# Altium PCB USB HUB V1.2.PcbDoc
Units mil, origin at the board's own origin, x right, y up, seen from the top; angles counter-clockwise.
Board outline 2559.07 x 1771.67 mil, 2 copper layers (Top Layer, Bottom Layer); 63 components, 47 nets, 278 pads, 96 vias.
Unrouted connection lines stored in the file: 17.
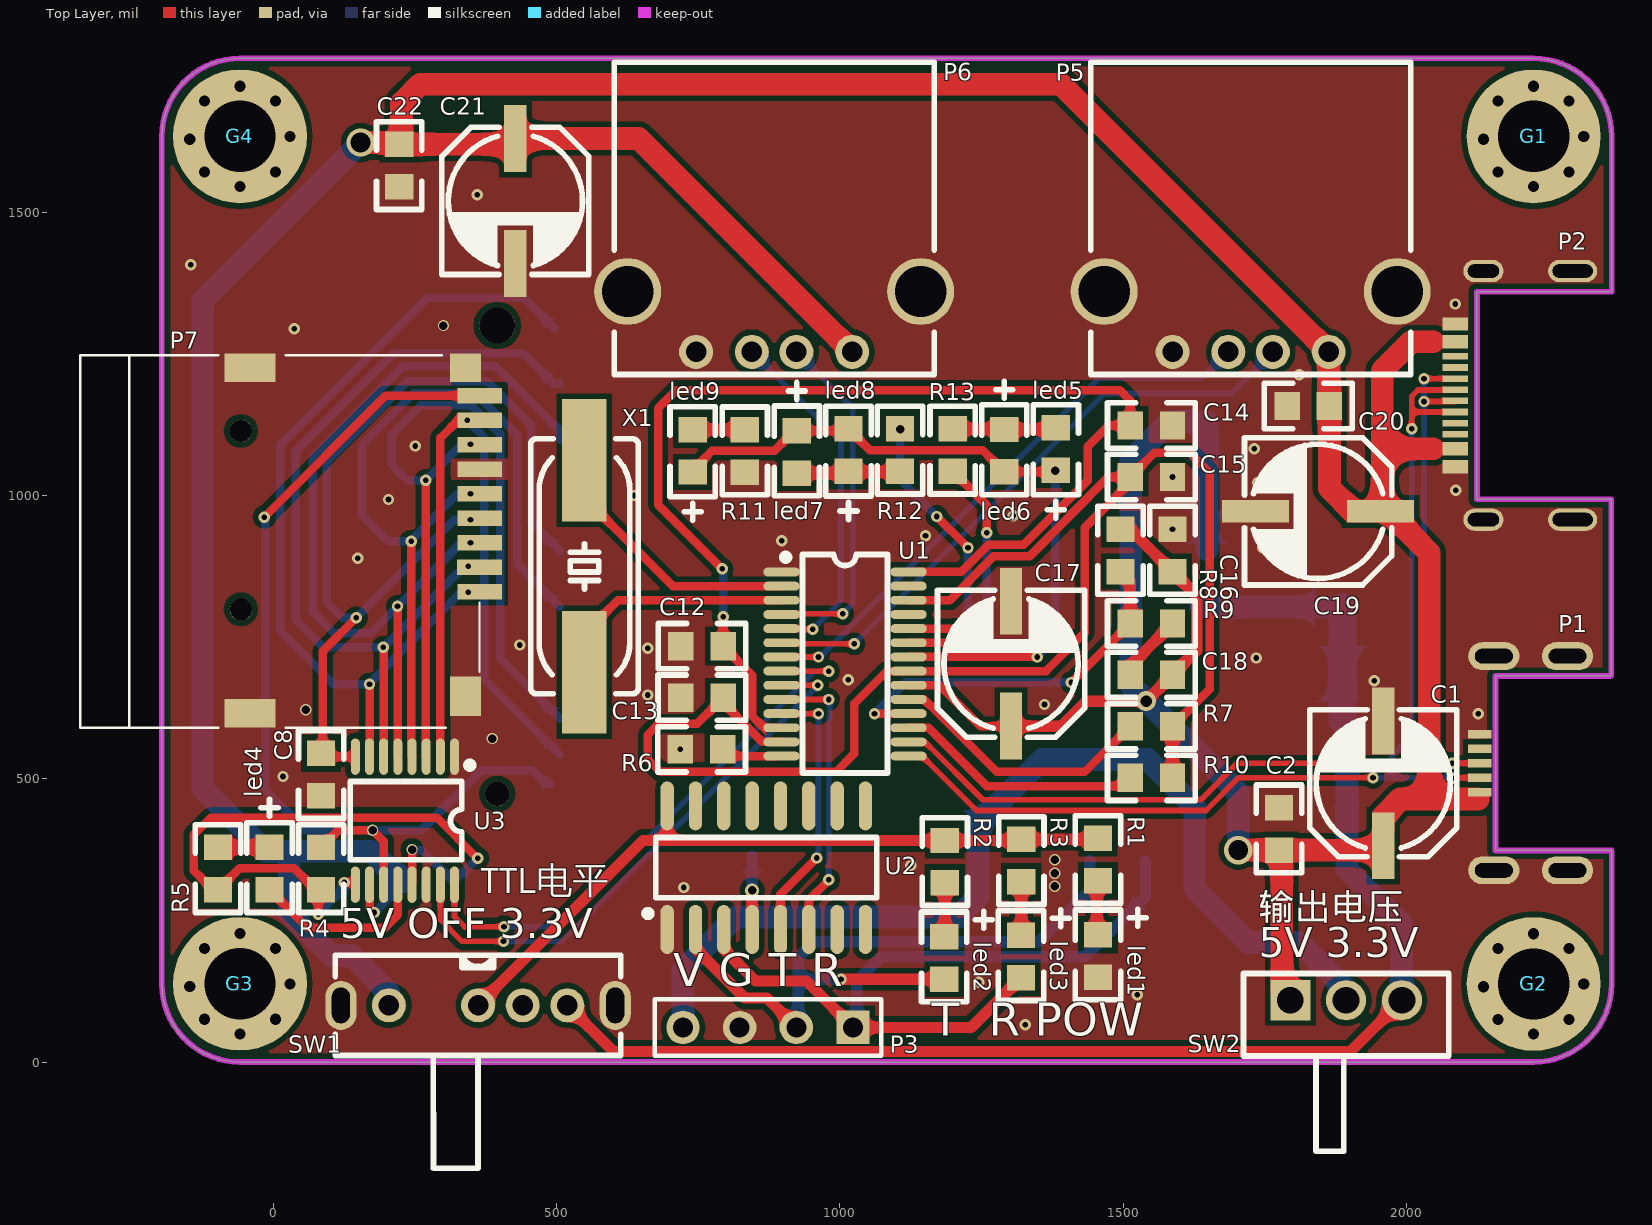
[diagram p0: Top Layer view]
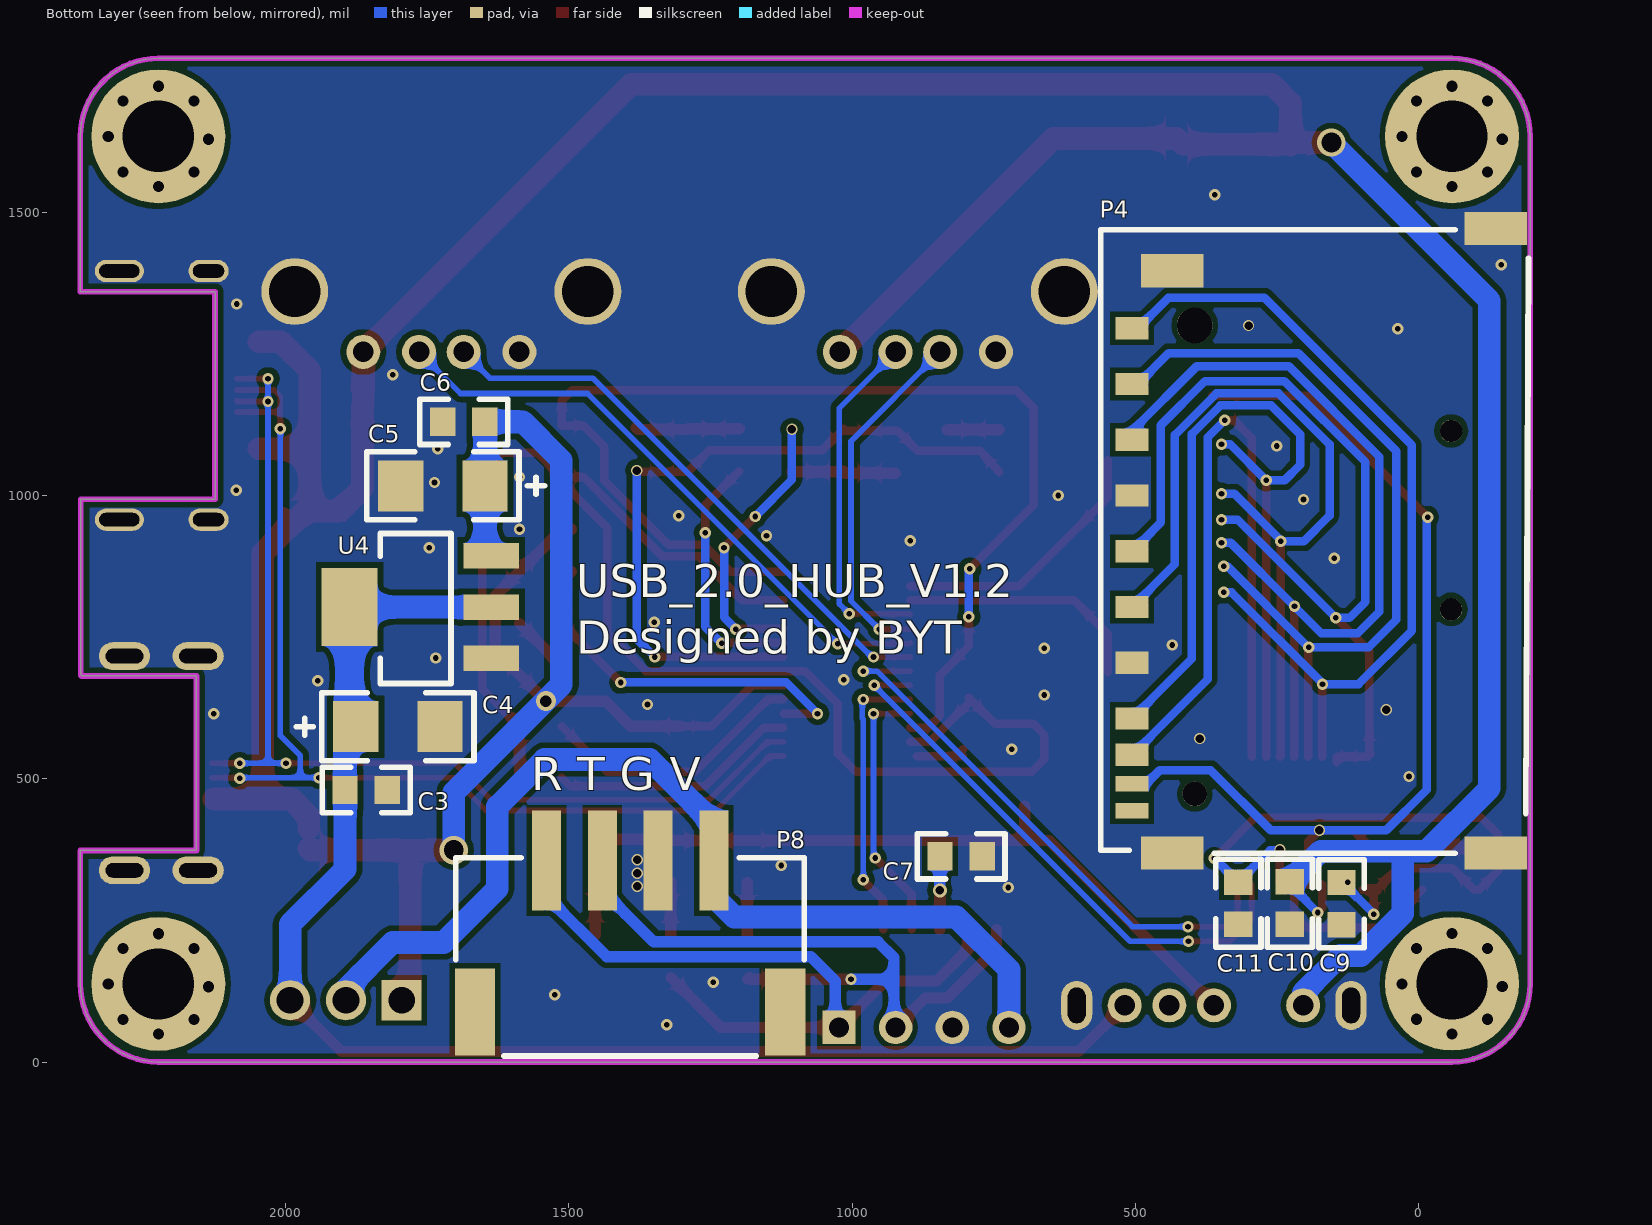
[diagram p1: Bottom Layer view, seen from below]

## Layer stack, top to bottom
Top Solder: solder mask 0.4, Solder Resist, Dk 3.5
Top Layer: signal copper 1.4
Dielectric 1: dielectric 12.6, FR-4, Dk 4.8
Bottom Layer: signal copper 1.4
Bottom Solder: solder mask 0.4, Solder Resist, Dk 3.5

## Board outline
-196.85,137.8 ccw(c-59.06,137.8) -59.06,0 2224.41,0 2224.41,-0.02 ccw(c2224.41,137.8) 2362.22,137.8 2362.22,373.37 2157.2,373.37 2157.2,681.37 2360.2,681.37 2361.2,682.37 2361.2,993.48 2124.41,993.48 2124.41,1359.48 2362.2,1359.48 2362.2,1633.86 ccw(c2224.41,1633.86) 2224.41,1771.65 -59.06,1771.65 ccw(c-59.06,1633.86) -196.85,1633.86

## Design rules (kind name [scope] priority, off if disabled: settings)
Clearance [All] p1: gap=1 ignorepadtopadclearanceinfootprint=FALSE
ComponentClearance [All] p1: gap=0 collisioncheckmode=3 verticalgap=0 showdistances=FALSE
PolygonConnect [All] p1: connectstyle=Direct reliefconductorwidth=10 reliefentries=4 polygonreliefangle="90 Angle" airgapwidth=10
RoutingVias [All] p1: holewidth=28 width=50 viastyle="Through Hole" minholewidth=5 minwidth=5 maxholewidth=28 maxwidth=50
SolderMaskExpansion [All] p1: expansion=4
Width [All] p1: maxlimit=100 minlimit=10 preferedwidth=20 minimp=50.000000 maximp=50.000000 favimp=50.000000
29 further rules are at their usual default settings.

## Components (designator, comment, footprint, x,y, rotation, side; value= is the part's Value field where it differs from the comment)
C1 "220uf" CAP-SMD_BD6.3-L6.6-W6.6-FD 1959,492 r90 top
C2 "104" "Cap 0805" 1775,374 r90 top
C3 "Cap" "Cap 0805" 1895,480 r180 bottom value=104
C4 "Cap Tan-C" "Cap tan-c" 1876,592 r180 bottom value=10uf
C5 "Cap Tan-C" "Cap tan-c" 1648,1017 r0 bottom value=10uf
C6 "Cap" "Cap 0805" 1722.8,1130 r180 bottom value=104
C7 "104" "Cap 0805" 770,363 r0 bottom
C8 "4.7uf" "Cap 0805" 84.15,544.8 r270 top
C9 "0.1uf" "Cap 0805" 136.15,316.8 r270 bottom
C10 "4.7uf" "Cap 0805" 227.15,317.8 r270 bottom
C11 "2.2uf" "Cap 0805" 318.15,317.61 r270 bottom
C12 "10uf" "Cap 0805" 719,734 r0 top
C13 "0.1uf" "Cap 0805" 793.8,643 r180 top
C14 "0.1uf" "Cap 0805" 1512.2,1123.5 r0 top
C15 "10uf" "Cap 0805" 1512.2,1032.5 r0 top
C16 "10uf" "Cap 0805" 1587,865.7 r90 top
C17 "100uf" CAP-SMD_BD6.3-L6.6-W6.6-FD 1302,703 r90 top
C18 "0.1uf" "Cap 0805" 1512.2,683.5 r0 top
C19 "220uf" CAP-SMD_BD6.3-L6.6-W6.6-FD 1844,972 r180 top
C20 "104" "Cap 0805" 1864,1158 r180 top
C21 "220uf" CAP-SMD_BD6.3-L6.6-W6.6-FD 427,1520 r270 top
C22 "104" "Cap 0805" 222,1619.8 r270 top
G1 "固定孔" 固定孔（M3） 2224.41,1633.86 r0 top
G2 "固定孔" 固定孔（M3） 2224.41,137.8 r0 top
G3 "固定孔" 固定孔（M3） -59.06,138 r0 top
G4 "固定孔" 固定孔（M3） -59.06,1633.86 r0 top
led1 "led" "led 0805" 1455.57,224.7 r270 top
led2 "led" "led 0805" 1184,221.2 r270 top
led3 "led" "led 0805" 1319.57,223.7 r270 top
led4 "led" "led 0805 2号" -6.85,379 r270 top
led5 "led" "led 0805 2号" 1381,1044.88 r90 top
led6 "led" "led 0805 2号" 1290,1116.49 r270 top
led7 "led" "led 0805 2号" 924,1114.29 r270 top
led8 "led" "led 0805 2号" 1015,1042.68 r90 top
led9 "led" "led 0805 2号" 740,1041.39 r90 top
P1 "Micro USB母座" "Micro USB母座（沉板0.8带卷边四脚）" 2129.68,527.4 r90 top
P2 "TYPE-C 16P母座" "TYPEC 16P（1.6沉板）" 2124.02,993.7 r90 top
P3 "Header 4" HDR1X4 1023,61 r180 top
P4 "SD卡母座" SD卡母座（短） 530.87,828.74 r90 bottom
P5 "USB2.0-母座" USB2.0母座弯脚卷边带后盖 2742.76,1238.31 r180 top
P6 "USB2.0-母座" USB2.0母座弯脚卷边带后盖 1901.65,1238.31 r180 top
P7 "TF卡母座（自弹）" TF卡母座（自弹） 161.36,920.35 r270 top
P8 "XH 2.54-4p" "XH 2.54-4P" 1539.26,355.72 r180 bottom
R1 "510Ω" "R 0805" 1455.57,319.9 r90 top
R2 "510Ω" "R 0805" 1185,316.2 r90 top
R3 "510Ω" "R 0805" 1320.15,318.1 r90 top
R4 "4.7K" "R 0805" 84.15,378.8 r270 top
R5 "510Ω" "R 0805" -97.85,304 r90 top
R6 "2.7K" "R 0805" 718.2,552 r0 top
R7 "100K" "R 0805" 1512.2,592.5 r0 top
R8 "47K" "R 0805" 1495.2,865.7 r90 top
R9 "100K" "R 0805" 1512.2,774 r0 top
R10 "100K" "R 0805" 1512.2,501.5 r0 top
R11 "330" "R 0805" 832,1041.2 r90 top
R12 "330" "R 0805" 1106,1117.49 r270 top
R13 "330" "R 0805" 1199,1042.68 r90 top
SW1 "SK13D07" SK13D07 361.26,100 r0 top
SW2 "MSK-12D19" MSK-12D19 1893.43,109.02 r90 top
U1 "FE1.1S" SSOP-28_150MIL 1009,702.5 r0 top
U2 "CH340C" SOP-16_150MIL 695,234 r90 top
U3 "GL823K-HCY04" SSOP-16_150MIL 232.15,426 r270 top
U4 "AMS1117" ams1117 1883,803 r90 bottom
X1 "12MHz" HC-49S_L11.4-W4.8 549,687.98 r90 top

## Footprints (in the part's own frame and the unit in brackets; to place one, negate y for a bottom-side part, rotate by r counter-clockwise, add the part's x,y. Pads: shape width x height; smd on the part's side, far side on the other; paste and mask are expansions set on the pad)
ams1117 [mm]
  rect 1.15x2.5 smd: 1(-2.3,-6.25) 2(0,-6.25) 3(2.3,-6.25)
  rect 3.5x2.5 smd: 2(0,0.1)
  silkscreen extent -3.43,-4.44 3.3,-1.27
"Cap 0805" [mm]
  rect 1.14x1.27 smd: 1(0,0) 2(1.9,0)
  silkscreen extent -1.02,-1.02 2.92,1.02
"Cap tan-c" [mm]
  rect 2.03x2.28 smd: 1(0,0) 2(3.78,0)
  silkscreen extent -2.67,-1.52 5.3,1.52
CAP-SMD_BD6.3-L6.6-W6.6-FD [mm]
  rect 3x1 smd: 1(-2.8,0) 2(2.8,0)
  silkscreen extent -3.3,-3.3 3.3,3.3
HC-49S_L11.4-W4.8 [mm]
  rect 5.5x2 smd: 1(0,0) 2(9.5,0)
  silkscreen extent -0.96,-2.41 10.47,2.41
HDR1X4 [mm] "Connector; Header; 4 Position"
  rect 1.5x1.5 hole 0.9: 1(0,0)
  round 1.5 hole 0.9: 2(2.54,0) 3(5.08,0) 4(7.62,0)
  silkscreen extent -1.27,-1.27 8.89,1.27
"led 0805" [mm]
  rect 1.14x1.27 smd: 1(0,0) 2(1.9,0)
  silkscreen extent -1.14,-1.02 2.92,2.16
"led 0805 2号" [mm]
  rect 1.14x1.27 smd: 1(0,0) 2(1.9,0)
  silkscreen extent -2.16,-1.02 2.92,1.02
"Micro USB母座（沉板0.8带卷边四脚）" [mm]
  rect 0.4x1.05 smd: 1(-1.3,0) 2(-0.65,0) 3(0,0) 4(0.65,0) 5(1.3,0)
  oval 1.25x2.3 hole 1.7 slot 0.65 at 0 deg: 5(-4.8,-3.925) 5(-4.8,-0.625) 5(4.8,-3.925) 5(4.8,-0.625)
MSK-12D19 [mm]
  rect 1.8x1.8 hole 1.2: 1(0,2.5)
  round 1.8 hole 1.2: 2(0,0) 3(0,-2.5)
  silkscreen extent -6.77,-4.6 1.2,4.6
"R 0805" [mm]
  rect 1.14x1.27 smd: 1(0,0) 2(1.9,0)
  silkscreen extent -1.02,-1.02 2.92,1.02
SD卡母座（短） [mm]
  rect 1x1.5 smd: 1(9.35,-0.635) 2(6.85,-0.635) 3(4.35,-0.635) 4(1.85,-0.635) 5(-0.65,-0.635) 6(-3.15,-0.635) 7(-5.65,-0.635) 8(-7.28,-0.635) 9(11.85,-0.635)
  rect 1.5x2.8 smd: 3(-11.68,-16.947) 3(-11.68,-2.447) 3(14.42,-2.447) 3(16.32,-16.947)
  rect 0.7x1.5 smd: 10(-8.58,-0.635) 11(-9.78,-0.635)
  round 1.1 hole 1.1: 12(-9.03,-3.447)
  round 1.6 hole 1.6: 13(11.97,-3.447)
  silkscreen extent -11.68,-18.41 16.26,0.76
SK13D07 [mil]
  round 60 hole 36: 1(-157.48,0) 3(0,0) 4(78.74,0) 5(157.48,0)
  oval 55.12x86.61 hole 31.5 slot 62.99 at 90 deg: 6(242.13,0) 7(-242.13,0)
  silkscreen extent -252,-287 252,89
SOP-16_150MIL [mm]
  oval 2.2x0.6 smd: 1(0,0) 2(0,-1.27) 3(0,-2.54) 4(0,-3.81) 5(0,-5.08) 6(0,-6.35) 7(0,-7.62) 8(0,-8.89) 9(5.537,-8.89) 10(5.537,-7.62) 11(5.537,-6.35) 12(5.537,-5.08) 13(5.537,-3.81) 14(5.537,-2.54) 15(5.537,-1.27) 16(5.537,0)
  silkscreen extent 0.56,-9.4 4.12,1.01
SSOP-16_150MIL [mil]
  oval 64.17x15.75 smd: 1(-113,87.5) 2(-113,62.5) 3(-113,37.5) 4(-113,12.5) 5(-113,-12.5) 6(-113,-37.5) 7(-113,-62.5) 8(-113,-87.5) 9(113,-87.5) 10(113,-62.5) 11(113,-37.5) 12(113,-12.5) 13(113,12.5) 14(113,37.5) 15(113,62.5) 16(113,87.5)
  silkscreen extent -104,-97 69,120
SSOP-28_150MIL [mil]
  oval 64.17x15.75 smd: 1(-112,162.5) 2(-112,137.5) 3(-112,112.5) 4(-112,87.5) 5(-112,62.5) 6(-112,37.5) 7(-112,12.5) 8(-112,-12.5) 9(-112,-37.5) 10(-112,-62.5) 11(-112,-87.5) 12(-112,-112.5) 13(-112,-137.5) 14(-112,-162.5) 15(112,-162.5) 16(112,-137.5) 17(112,-112.5) 18(112,-87.5) 19(112,-62.5) 20(112,-37.5) 21(112,-12.5) 22(112,12.5) 23(112,37.5) 24(112,62.5) 25(112,87.5) 26(112,112.5) 27(112,137.5) 28(112,162.5)
  silkscreen extent -111,-192 75,194
TF卡母座（自弹） [mm]
  rect 0.7x2 smd: 1(2.292,5.145) 2(1.192,5.143) 3(0.096,5.145) 4(-1.004,5.145) 5(-2.103,5.145) 6(-3.201,5.145) 7(-4.297,5.145) 8(-5.395,5.145) 9(-6.499,5.145)
  rect 1.27x1.397 smd: 10(-7.747,4.507)
  rect 1.27x2.286 smd: 11(-7.747,-5.145) 12(7.747,-5.145)
  rect 1.778x1.397 smd: 13(6.985,4.507)
  round 1 hole 1 unplated: ""(-4.915,-5.557) ""(3.084,-5.554)
  silkscreen extent -8.31,-12.76 8.39,5.14
"TYPEC 16P（1.6沉板）" [mm]
  oval 1x1.8 hole 1.4 slot 0.6 at 0 deg: 1(-0.925,-0.3) 1(10.225,-0.3)
  oval 1x2.2 hole 1.8 slot 0.6 at 0 deg: 1(-0.925,-4.3) 1(10.225,-4.3)
  rect 0.6x1.15 smd: 1(1.45,0.96) 2(2.25,0.96) 11(7.05,0.96) 12(7.85,0.96)
  rect 0.3x1.15 smd: 3(2.9,0.96) 4(3.4,0.96) 5(3.9,0.96) 6(4.4,0.96) 7(4.9,0.96) 8(5.4,0.96) 9(5.9,0.96) 10(6.4,0.96)
USB2.0母座弯脚卷边带后盖 [mil]
  round 60 hole 36.22: 1(880,-15) 2(978.43,-15) 3(1057.17,-15) 4(1155.59,-15)
  round 118.11 hole 90.55: 4(759.13,-121.69) 4(1276.46,-121.69)
  silkscreen extent 735,-526 1300,25
"XH 2.54-4P" [mm]
  rect 1.3x4.5 smd: 1(0,0) 2(2.5,0) 3(5,0) 4(7.5,0)
  rect 1.8x3.9 smd: 5(-3.2,-6.8) 6(10.7,-6.8)
  silkscreen extent -4.06,-8.76 11.56,0.13
固定孔（M3） [mm]
  round 6 hole 3.2: 0(0,0)
  round 0.75 hole 0.5: 1(0,2.25) 2(1.59,1.59) 3(2.25,0) 4(1.59,-1.59) 5(0,-2.25) 6(-1.59,-1.59) 7(-2.25,-0.127) 8(-1.59,1.59)

## Part data
C1 C17 C19 C21: library part pcap
C2 C7 C8 C9 C10 C11 C12 C13 C14 C15 C16 C18 C20 C22: library part Cap
P3: "Header, 4-Pin", LatestRevisionDate=17-Jul-2002, LatestRevisionNote="Re-released for DXP Platform.", Publisher="Altium Limited"
R1 R2 R3 R4 R5 R6 R7 R8 R9 R10 R11 R12 R13: library part Res
SW2: library part 12D19, BOM_Manufacturer=HRO, BOM_Manufacturer Part=K3-1260D-L1, BOM_Supplier=LCSC, BOM_Supplier Part=C92657, spicePre=S, spiceSymbolName=K3-1260D-L1
U1: BOM_Manufacturer=TERMINUS, BOM_Manufacturer Part=FE1.1S, BOM_Supplier=LCSC, BOM_Supplier Part=C9359, image=//image.lceda.cn/szlcsc/C9359.jpg, spicePre=U
U2: BOM_Manufacturer=WCH, BOM_Manufacturer Part=CH340C, BOM_Supplier=LCSC, BOM_Supplier Part=C84681, spicePre=U
U3: BOM_Manufacturer="Genesys Logic", BOM_Manufacturer Part=GL823K-HCY04, BOM_Supplier=LCSC, BOM_Supplier Part=C284879, Contributor=LCSC, spicePre=U
X1: library part 8MHz, BOM_Manufacturer="ZheJiang East Crystal Elec", BOM_Manufacturer Part=C08000J060, BOM_Supplier=LCSC, BOM_Supplier Part=C259040, Contributor=LCSC, nameAlias=Frequency, spicePre=X, spiceSymbolName=C08000J060

## Via types
v1: diameter 20, hole 10, Top Layer to Bottom Layer, tented both sides, 82 vias
v2: diameter 20, hole 15, Top Layer to Bottom Layer, tented both sides, 10 vias
v3: diameter 50, hole 35, Top Layer to Bottom Layer, tented both sides, 2 vias
v4: diameter 25, hole 15, Top Layer to Bottom Layer, tented both sides, 1 vias
v5: diameter 35, hole 20, Top Layer to Bottom Layer, tented both sides, 1 vias

## Nets (pads, with @x,y where several pads share a name; then routed paths per layer and width w, separated by ;. In a path a pad name is that pad's centre, name@x,y a point inside that pad or via, vN(x,y) a via of type N, cw(c..) or ccw(c..) an arc to the next point about the centre after c; other vN are vias at no path point)
3V3: C3.1 C4.1 SW1.5 SW2.3 U4.2 | length 2501.2
  Top Layer w20: SW1.5 600.26,18.48 1901.33,18.48 SW2.3
  Bottom Layer w40: U4.2@1636.94,803 U4.2@1886.94,803 ; C4.1@1895,573 C3.1 1895,340 1991.85,243.15 SW2.3 ; SW2.3@1990,110.85 SW2.3
  Bottom Layer w50: C4.1@1886.94,602.94 U4.2@1886.94,803
+5V: C1.1 C2.1 C5.1 C6.2 C10.1 C16.1 C17.1 C18.2 C19.1 C20.1 C21.1 C22.1 P1.1 P2.2 P2.11 P5.1 P6.1 R8.2 SW1.1 SW2.1 U1.20 U3.10 U4.3 | length 9188.8
  Top Layer w15: U3.10 169.65,272.5 v1(178.15,264) ; U1.20 1176,665 1248.24,592.76 C17.1
  Top Layer w20: C22.1@221,1623 C22.1@224.2,1619.8 ; C22.1@226,1618 C22.1@227,1619 ; C17.1 1390.76,592.76 1435,637 v5(1540.5,637) C18.2 1630,726.5 1630,822.7 C16.1 1512.2,940.5 R8.2
  Top Layer w40: v3(154,1623) C22.1@221,1623 ; C22.1@224.2,1619.8 C22.1@226,1619.8 ; C22.1@226,1618 C22.1@226,1619.8 ; C21.1@416.57,1619.8 C22.1@226,1619.8 ; C21.1 644.72,1630.24 P6.1 ; v3(1703,374) C2.1 C2.1@1780,374 ; SW2.1 1780,124.02 C2.1@1780,374 ; C19.1 1905,972 1864,1013 C20.1 1862.76,1159.24 P5.1 1390.06,1726 259,1726 226,1693 C22.1@226,1619.8 ; C1.1@1959,376.76 1956.24,374 C2.1@1780,374 ; C1.1@1959,412 1959,434 1989.22,464.22 2040,464.22 ; 2047.22,1082.28 1957,1082.28 ; 2047.22,1271.26 2008.26,1271.26 1957,1220 1957,1082.28 ; 2126.68,464.22 2040,464.22 ; 1957,1082.28 1957,982 2040,899 2040,464.22
  Bottom Layer w15: v1(178.15,264) 227.15,313 C10.1
  Bottom Layer w40: 28,355 28,262 102,188 138,188 203.78,122.22 SW1.1 ; v3(154,1623) -125,1344 -125,483 -14,372 172.95,372 C10.1 ; U4.3@1648,904.61 C5.1 C6.2 1581,1130 1513,1062 1513,666 1703,476 v3(1703,374)
CD: P4.10 P7.9 R4.1 U3.11 | length 1745.2
  Top Layer w15: v1(-16,961.85) 198.38,1176.23 P7.9 ; R4.1 114.35,409 v2(175,409) 194.65,389.35 U3.11
  Bottom Layer w15: v1(-16,961.85) -14,959.85 -14,480.15 57.15,409 v2(175,409) 261,409 367,515 457,515 481.06,490.94 P4.10@489.09,490.94
CH340_3V3: C7.2 U2.4 | length 129.1
  Top Layer w20: U2.4 v4(845,303)
  Bottom Layer w20: C7.2 845,362.8 v4(845,303)
CH340_RXD: led3.2 P3.1 P8.1 U2.3 | length 1342.4
  Top Layer w20: U2.3 795,199 851,143 941,143 P3.1 1231.68,61 led3.2
  Bottom Layer w20: P3.1@1029.7,88.43 1029.7,142.7 1073,186 1433,186 1539.26,292.26 P8.1
CH340_TXD: led2.2 P3.2 P8.2 U2.2 | length 1271.1
  Top Layer w20: U2.2 745,200 832,113 871,113 P3.2 ; v1(1002,146) 1178.39,146 1181.39,149 led2.2
  Bottom Layer w20: P3.2 926,64 926,146 ; v1(1002,146) 926,146 ; P8.2 1440.83,302.83 1350,212 954,212 926,184 926,146
CH340_VCC: R1.2 R2.2 R3.2 SW1.3 U2.16 | length 1277.4
  Top Layer w20: SW1.3 652.26,391 695,391 ; U2.16 695,391 ; R1.2 1453.78,392.91 R3.2 1318.24,391 R2.2 695,391
CLK: P4.5 P7.5 U3.4 | length 1426.3
  Top Layer w15: v1(243.15,919) 243.15,540.5 U3.4
  Bottom Layer w15: v1(348,1003) 325.15,1003 241.15,919 202.65,919 157.15,964.5 157.15,1090.15 247,1180 357,1180 430,1107 430,879.01 P4.5
CMD: P4.2 P7.3 U3.5 | length 1464.8
  Top Layer w15: U3.5 v1@219.65,804.18
  Bottom Layer w15: v1(348,916.59) 331.56,916.59 v1(219.15,804.18) 171.97,757 107,757 69,795 69,1068 229,1228 391.53,1228 505.86,1113.67 P4.2
D+1: U1.11 U2.5 | length 473.8
  Top Layer w10: U1.11 v1(962,615)
  Top Layer w15: U2.5 895,296 v1(959,360)
  Bottom Layer w10: v1(959,360) 962,363 v1(962,615)
D+2: U1.9 U3.15 | length 995
  Top Layer w10: U3.15 294.65,251.5 333.15,213 v1(406,213) ; U1.9 v1(961,665)
  Bottom Layer w10: v1(406,213) 509,213 v1(961,665)
D+3: P5.3 U1.7 | length 1011.5
  Top Layer w10: U1.7 v1(962,715)
  Bottom Layer w10: v1(962,715) 965.28,715 1457.28,1207 1639.28,1207 P5.3
D+4: P6.3 U1.5 | length 630.6
  Top Layer w10: U1.5 898,764 v1(952,764)
  Bottom Layer w10: P6.3 1001.97,1095.83 1001.97,813.97 v1(952,764)
D-1: U1.10 U2.6 | length 505.6
  Top Layer w10: U1.10 v1(980,640)
  Top Layer w15: U2.6 945,286 v1(980.5,321.5)
  Bottom Layer w10: v1(980,640) 982,638 982,606.72 980,604.72 980,322 v1(980.5,321.5)
D-2: U1.8 U3.16 | length 994.7
  Top Layer w10: U3.16 319.65,256.5 338.15,238 339.15,239 v1(407,239) ; U1.8 v1(980,690)
  Bottom Layer w10: v1(407,239) 505,239 956,690 v1(980,690)
D-3: P5.2 U1.6 | length 1081.6
  Top Layer w10: U1.6 899,738 v1(1025,738)
  Bottom Layer w10: v1(1025,738) 1467,1180 1691.02,1180 P5.2
D-4: P6.2 U1.4 | length 619
  Top Layer w10: U1.4 898,791 v1(1005,791)
  Bottom Layer w10: P6.2 1022.34,1154.2 1022.34,808.34 v1(1005,791)
DAT0: P4.7 P7.7 U3.3 | length 1497.3
  Top Layer w15: U3.3@269.15,539 v1(269.15,1027)
  Bottom Layer w15: v1(348,1090.15) 332.3,1090.15 v1(269.15,1027) 236.15,1027 209.15,1054 209.15,1108 260.15,1159 349.72,1159 400,1108.72 400,712.16 P4.7
DAT1: P4.8 P7.8 U3.2 | length 1281.6
  Top Layer w15: U3.2 294.65,1101.5 326.15,1133 v1(342,1133)
  Bottom Layer w15: v1(342,1133) 372,1103 372,675.98 P4.8
DAT2: P4.9 P7.1 U3.7 | length 1507.4
  Top Layer w15: U3.7 v1(169.65,667)
  Bottom Layer w15: v1@169.15,668 330.15,829 v1(344,829) ; v1(169.65,667) 106,667 12,761 12,1088.85 272.15,1349 441.7,1349 P4.9@495.43,1295.28
DAT3: P4.1 P7.2 U3.6 | length 1435.4
  Top Layer w15: U3.6 v1@194.65,731.84
  Bottom Layer w15: v1(344,875) 337.31,875 v1(194.15,731.84) 88.16,731.84 39,781 39,1078 212,1251 441.15,1251 495.3,1196.85 P4.1
DRV: led5.1 led6.2 led7.1 led8.2 led9.1 U1.22 | length 1275.7
  Top Layer w15: led9.1 773.61,1079 884.71,1079 920,1114.29 led7.1 1011.8,1114.29 led8.2 1052.48,1080 1251.68,1080 led6.2 1377.8,1041.68 led5.1 ; U1.22 v1(1348,715)
  Bottom Layer w15: v1(1348,715) 1380,747 v2(1380,1044)
GND: C1.2 C2.2 C3.2 C4.2 C5.2 C6.1 C7.1 C8.2 C9.2 C10.2 C11.2 C12.1 C13.2 C14.2 C15.2 C16.2 C17.2 C19.2 C20.2 C21.2 C22.2 led1.2 P1.5 P2.1 P2.12 P3.3 P4.3 P4.6 P5.4 P6.4 P7.6 P7.10 P7.11 P7.12 P7.13 P8.3 R6.1 R11.1 SW1.6 SW1.7 U1.1 U2.1 U3.1 U3.14 U4.1
  other v1: 1327,65.72 1525,119 1245,140.61 724,308 1125,347 17,504 718.2,552 2126.68,615 1361,631 661,647.81 1943,673 1014.82,675 1735,713 661,730.29 435,736 1349,776 149.15,889 1746,908 897,920 1151,929 1587,940.5 1306,964 203.15,993 636,1000 2087,1009 1737,1023 1587,1032.5 1731,1082.28 250.15,1087.3 1811,1213 37,1294 2086.22,1338 -146,1407 360,1531
  other v2: 1379,310 1379,333 1379,357 386,571 57,622 300.11,1300
LED: led4.2 U3.12 | length 317.2
  Top Layer w15: led4.2 60.35,237 197.15,237 219.65,259.5 U3.12
LED1: R13.1 U1.23 | length 449.5
  Top Layer w15: U1.23 v1@1230,740 ; R13.1 1259,982.68 v1(1259,934)
  Bottom Layer w15: v1(1230,739) 1259,768 v1(1259,934)
LED2: R12.1 U1.24 | length 495.4
  Top Layer w15: U1.24 v1@1205,765 ; v1(1171,963) v1(1226,908)
  Bottom Layer w15: v2(1106,1117) 1106,1028 v1(1171,963) ; v1(1205,764) 1226,785 v1(1226,908)
NetC18_1: C18.1 R9.2 | length 121.5
  Top Layer w20: C18.1 1512.2,699.2 R9.2
Netled1_1: led1.1 R1.1 | length 95.2
  Top Layer w20: led1.1@1453.43,224.7 R1.1@1453.43,319.9
Netled2_1: led2.1 R2.1 | length 95.4
  Top Layer w20: led2.1 1185,222.2 R2.1
Netled3_1: led3.1 R3.1 | length 94.6
  Top Layer w20: led3.1 1320.15,224.28 R3.1
Netled4_1: led4.1 R5.2 | length 91.1
  Top Layer w25: R5.2 -7.05,378.8 led4.1
Netled5_2: led5.2 led6.1 R13.2 | length 183.7
  Top Layer w20: R13.2 1289,1117.49 led6.1 1377.8,1116.49 led5.2
Netled7_2: led7.2 led8.1 R12.2 | length 183.7
  Top Layer w20: led7.2 1011.8,1039.49 led8.1 1016,1041.68 R12.2@1106,1041.68
Netled9_2: led9.2 R11.2 | length 92.1
  Top Layer w20: led9.2 831.8,1116.2 R11.2
NetP3_4: P3.4 P8.4 SW2.2 | length 1774.1
  Bottom Layer w40: P3.4 723,163 816,256 1208,256 1243.98,291.98 P8.4 1243.98,420.96 1357.02,534 1543,534 1626,451 1626,306 1721,211 1811,211 1893.42,128.58 SW2.2
NetR6_2: R6.2 U1.14 | length 98
  Top Layer w15: R6.2@804,552 816,540 ; R6.2@805,540 U1.14@886,540
NetR7_1: R7.1 U1.19 | length 477.6
  Top Layer w15: U1.19 1149.03,640 1277.03,512 1431.7,512 R7.1
NetR8_1: R8.1 R9.1 U1.18 | length 675.8
  Top Layer w15: v1(1061,615) U1.18 ; v1(1408.2,670) R9.1
  Top Layer w20: R8.1 1512.2,848.7 R9.1
  Bottom Layer w15: v1(1061,615) 1116,670 v1(1408.2,670)
NetR10_1: R10.1 U1.17 | length 439.9
  Top Layer w15: U1.17 1156,590 1259,487 1497.7,487 R10.1
NetU1_2: U1.2 X1.2 | length 478.6
  Top Layer w15: X1.2 549,996 705,840 U1.2
NetU1_3: U1.3 X1.1 | length 440.5
  Top Layer w15: X1.1 549,756 608,815 U1.3
PMOS: C8.1 P4.4 P7.4 U3.8 | length 1616.1
  Top Layer w15: C8.1 89.95,539 U3.8 U3.8@144.65,529.5 ; C8.1@87,545 87,725 v1(146,784)
  Bottom Layer w15: v1(348,957) 319,957 v1(146,784) 122,784 94,812 94,1059 237,1202 377,1202 455,1124 455,952.43 P4.4
VCC_1.8V: C12.2 C14.1 U1.12 U1.28 | length 2104.2
  Top Layer w15: v1(792,870.7) 679,983.7 679,1154 711,1186 1494,1186 1512.2,1167.8 C14.1 1474.5,1123.5 1437,1086 1437,1026 1324,913 1262,913 1214,865 U1.28 ; v1(793.8,786.2) C12.2 845,682.8 845,611 866,590 U1.12
  Bottom Layer w15: v1(792,870.7) 793.8,868.89 v1(793.8,786.2)
VCC_3.3V: C13.1 C15.1 R7.2 R10.2 U1.13 U1.21 U1.26 | length 2803.3
  Top Layer w15: C13.1 C13.1@789.26,638.46 ; U1.13 862.72,565 C13.1@789.26,638.46 ; U1.26 1194,815 1270.6,892.39 1335.15,892.72 1473.5,1032.5 C15.1 ; R7.2 1652.5,658 1652.5,1040.5 1618,1075 1554.7,1075 C15.1 ; C13.1@789.26,638.46 747.8,597 680,597 661,578 661,534 683,512 993,512 1025,544 1025,632 1083,690 U1.21 1364,690 1432,758 1432,943 1512.2,1023.2 C15.1
  Top Layer w20: R10.2 R7.2
VDD: C9.1 C11.1 R4.2 R5.1 U3.9 U3.13 | length 1253.6
  Top Layer w15: R5.1@-106.85,304 -140.85,338 -140.85,401 -110.35,431.5 288.5,431.5 v1(360.5,359.5) ; R5.1 -59.85,342 36.15,342 R4.2@74.15,304 ; v1(79,261) 79,293 90,304 R4.2@99,304 ; v1(125,317) 140.65,317 U3.9 ; U3.13@244.76,316.11 v2(244.76,375)
  Top Layer w20: R4.2@74.15,304 R4.2 R4.2@90,304
  Bottom Layer w15: v1(79,261) 134.8,316.8 C9.1 ; v2(244.76,375) 243.15,373.39 262.36,373.39 C11.1 v1@362,361.46
输入D+: P1.3 P2.6 P2.8 U1.16 | length 1867.3
  Top Layer w10: U1.16 1150,565 1252,463 1637,463 1701.4,527.4 v1(1999,527.4) ; v1(2031,1166) 2085.29,1166 P2.6 ; v1(2031,1206.3) P2.8 ; v1(2081,527.4) P1.3
  Bottom Layer w10: v1(1999,527.4) 2031,527.4 ; v1(2031,1206.3) v1(2031,1166) 2031,527.4 ; v1(2081,527.4) 2031,527.4
输入D-: P1.2 P2.5 P2.7 U1.15 | length 1920.4
  Top Layer w10: U1.15 1145,540 1241,444 1646,444 1704,502 v1(1940.81,502) ; v1(2009,1118) 2009,1147.24 ; v1@2081,501.81 P1.2 ; P2.5 2009,1147.24 ; P2.7 2085.91,1186.3 2020.3,1186.3 2009,1175 2009,1147.24
  Bottom Layer w10: v1@1940,502 v1(1940.81,502) 1974,502 ; v1(2009,1118) 2009,575.84 1974,540.84 1974,502 ; v1(2081,501) 2080,502 1974,502
pads on no net: G1.0 G1.1 G1.2 G1.3 G1.4 G1.5 G1.6 G1.7 G1.8 G2.0 G2.1 G2.2 G2.3 G2.4 G2.5 G2.6 G2.7 G2.8 G3.0 G3.1 G3.2 G3.3 G3.4 G3.5 G3.6 G3.7 G3.8 G4.0 G4.1 G4.2 G4.3 G4.4 G4.5 G4.6 G4.7 G4.8 P1.4 P2.3 P2.4 P2.9 P2.10 P4.11 P4.12 P4.13 P7. P8.5 P8.6 SW1.4 U1.25 U1.27 U2.7 U2.8 U2.9 U2.10 U2.11 U2.12 U2.13 U2.14 U2.15

## Polygon pours and split planes (outlines as drawn)
GND on Top Layer "Top Layer-GND" (solid, remove dead copper, pour order 6): -266,1807 2412,1807 2412,1575 2412,-83 -266,-83
GND on Bottom Layer "Bottom Layer-GND" (solid, remove dead copper, pour order 8): -317.94,1814 2377,1814 2377,-64 2335,-64 -319.96,-64

## Keep-outs
Keep-Out Layer:
  lines w10: -59.06,0 cw(c-59.06,137.8) -196.85,137.8 -196.85,1633.86 cw(c-59.06,1633.86) -59.06,1771.65 2224.41,1771.65 cw(c2224.41,1633.86) 2362.2,1633.86 2362.2,1359.48 ; -59.06,0 2224.41,0 ccw(c2224.41,137.8) 2362.22,137.8 2362.22,373.37 2157.2,373.37 2157.2,681.37 2360.2,681.37 2361.2,682.37 2361.2,993.48 2124.41,993.48 2124.41,1359.48 2361.57,1359.48

## Other copper
Bottom Layer:

## Silkscreen, mask and mechanical layers (free items; w line width, h text height)
Top Overlay:
  text "TTL电平" at 366,282 h80
  text "输出电压" at 1738,235 h80
  text "5V OFF 3.3V" at 118,201 h90
  text "5V 3.3V" at 1739,167 h90
  text "V G T R" at 705.81,114 h100
  text "T  R POW" at 1162,27 h100
Bottom Overlay:
  text "USB_2.0_HUB_V1.2 / Designed by BYT" at 1487,701 h100
  text "R T G V" at 1566,460 h100